# Altium PCB RUT_LCD_1.PcbDoc
Units mil, origin at the board's own origin, x right, y up, seen from the top; angles counter-clockwise.
Board outline 2287.43 x 3548.06 mil, 2 copper layers (Top Layer, Bottom Layer), stack 61.8 mil thick; 47 components, 30 nets, 180 pads, 224 vias.
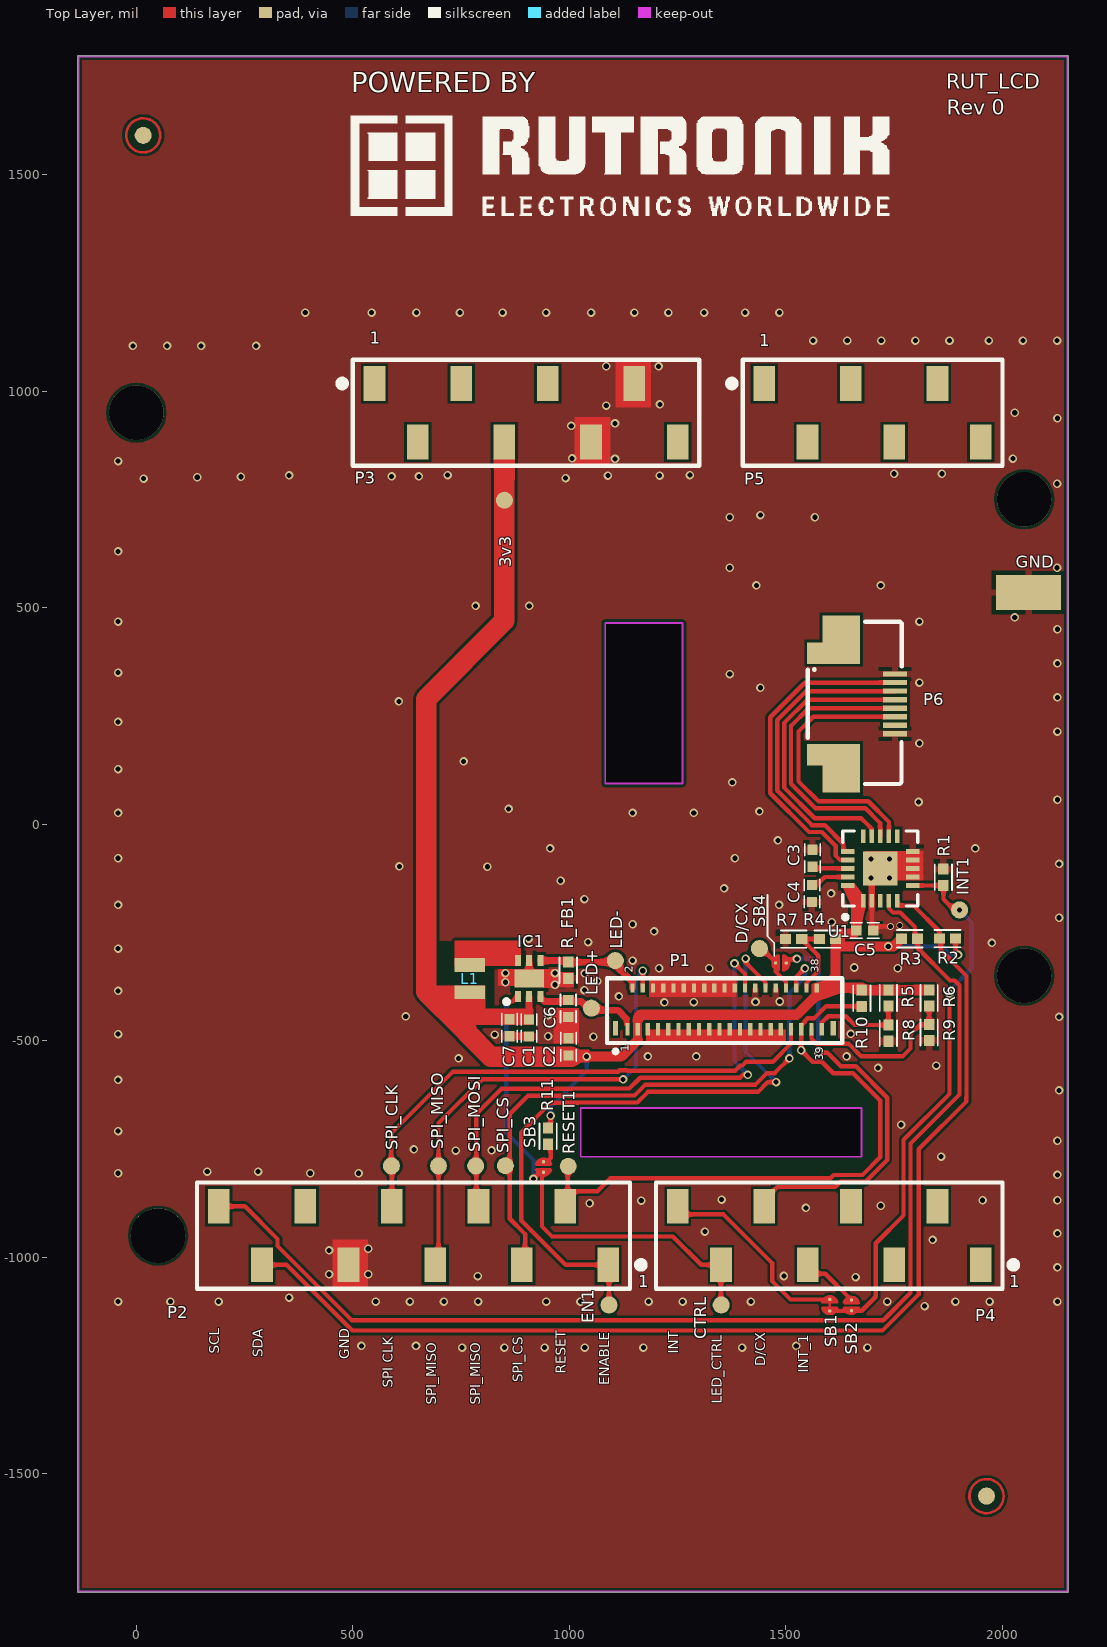
[diagram p0: Top Layer view]
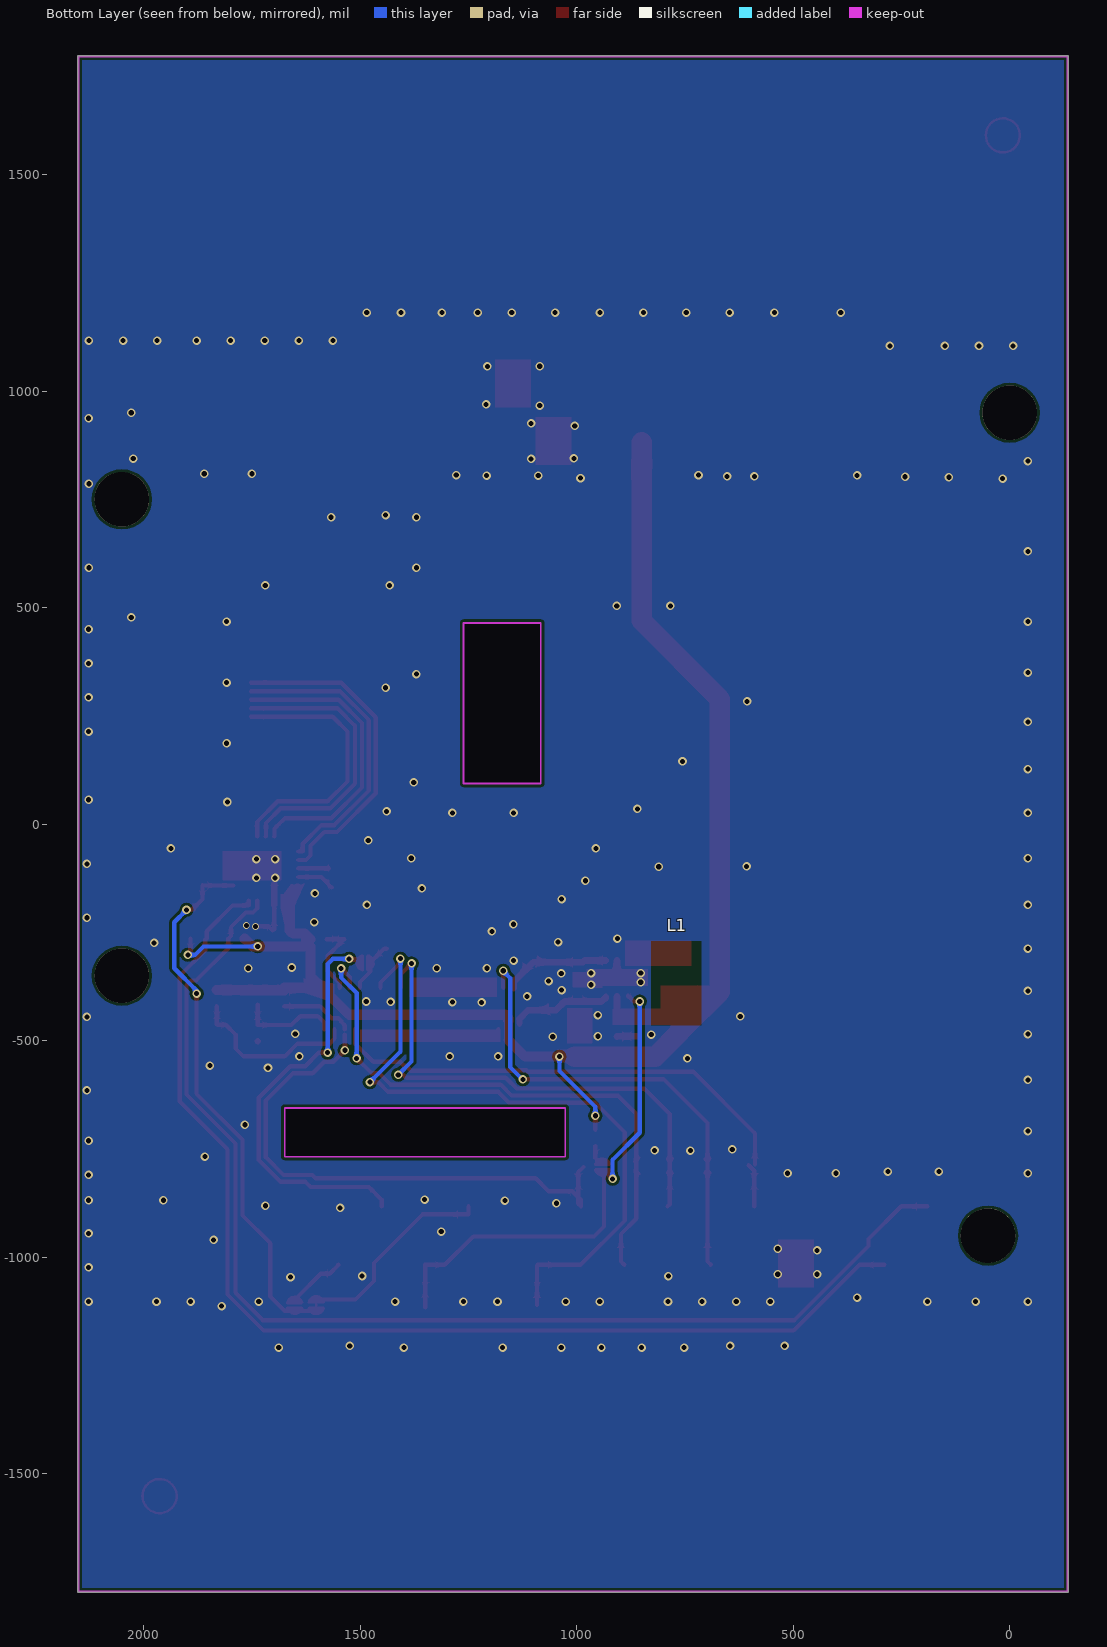
[diagram p1: Bottom Layer view, seen from below]
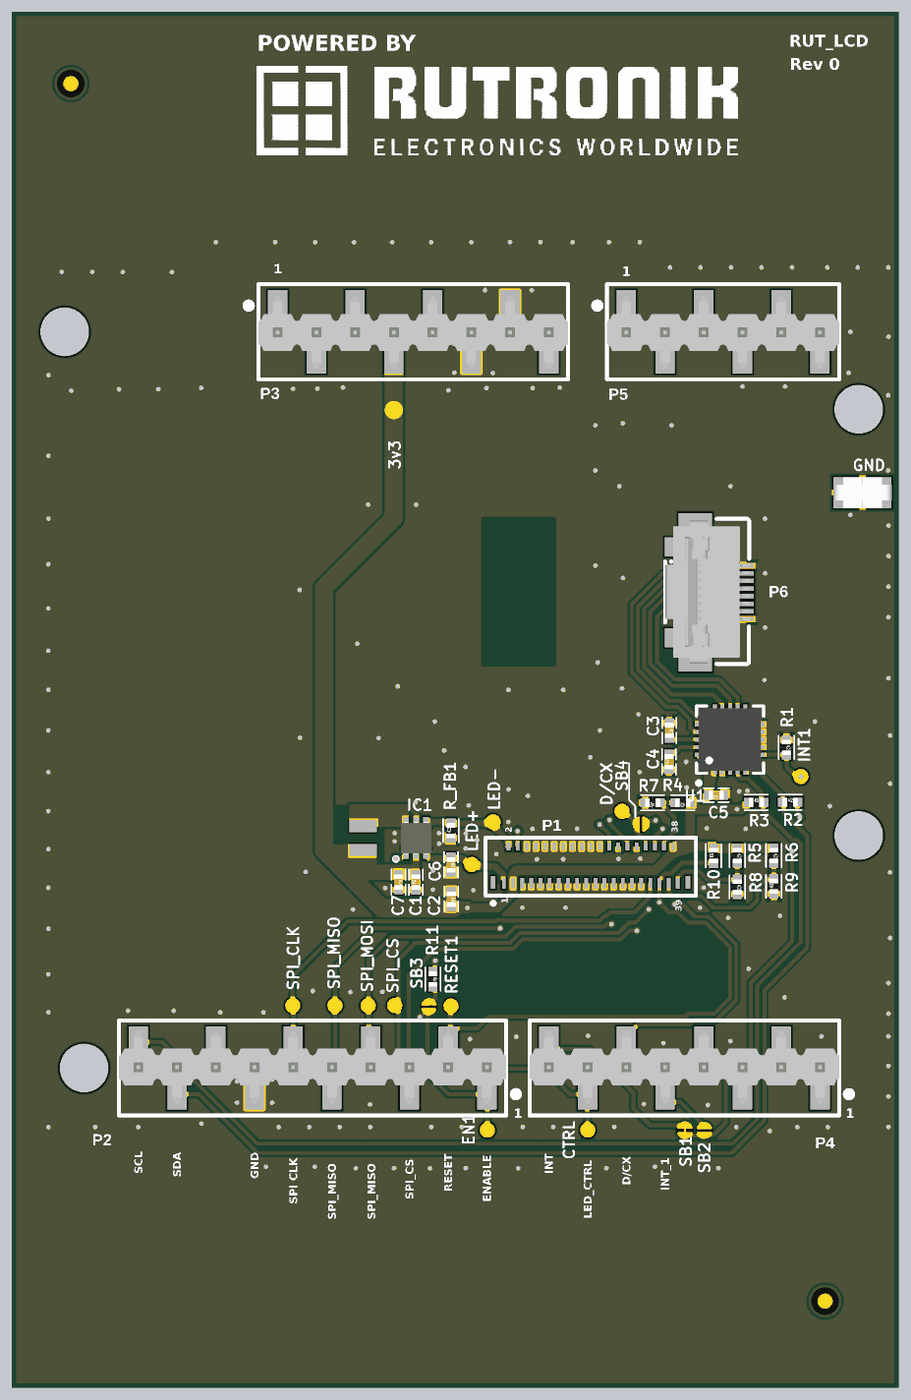
[diagram p2: 3D render of the assembled board from above, using the file's embedded part models]

## Layer stack, top to bottom
Top Solder: solder mask 1, SM-003, Dk 4
Top Layer: signal copper 1.4
Core: core 59, Core-043, Dk 4.3
Bottom Layer: signal copper 1.4
Bottom Solder: solder mask 1, SM-003, Dk 4

## Board outline
-135.45,-1771.65 -135.45,1771.65 cw(c-133.46,1771.65) -135.41,1772.05 cw(c-133.47,1772.44) -133.47,1774.42 2150,1774.42 cw(c2150,1772.44) 2151.98,1772.44 2151.98,-1771.65 cw(c2150,-1771.65) 2150,-1773.64 -133.46,-1773.64 cw(c-133.46,-1771.65)
cut-out: 1082.67,93.7 1261.02,93.7 1261.02,464.57 1082.67,464.57
cut-out: 1261.02,464.57 1082.67,464.57 1082.67,93.7 1261.02,93.7
cut-out: 1026.16,-655.51 1026.16,-767.72 1674.23,-767.72 1674.23,-655.51
cut-out: 1674.23,-767.72 1674.23,-655.51 1026.16,-655.51 1026.16,-767.72
cut-out: 1261.02,93.7 1082.67,93.7 1082.67,464.57 1261.02,464.57

## Design rules (kind name [scope] priority, off if disabled: settings)
Clearance [All] p1: gap=6 ignorepadtopadclearanceinfootprint=FALSE
ComponentClearance [All] p1: gap=0 collisioncheckmode=3 verticalgap=0 showdistances=TRUE
DiffPairsRouting [All] p1: maxlimit=7.87 minlimit=5.91 mostfreqgap=5.91 toplayer_minwidth=7.87 toplayer_maxwidth=15.75 toplayer_prefwidth=9.84 bottomlayer_minwidth=7.87 bottomlayer_maxwidth=15.75 bottomlayer_prefwidth=9.84 maxuncoupledlength=500
HoleSize [All] p1: absolutevalues=TRUE maxlimit=472.44 minlimit=11.81 maxpercent=80.000 minpercent=20.000
HoleToHoleClearance [All] p1: gap=0 allowstackedmicrovias=TRUE
MinimumSolderMaskSliver [All] p1: minsoldermaskwidth=0
PolygonConnect PolygonConnect_via [isvia] p1: connectstyle=Direct reliefconductorwidth=10 reliefentries=4 polygonreliefangle="90 Angle" airgapwidth=10
PolygonConnect [All] p2: connectstyle=Relief reliefconductorwidth=15.75 reliefentries=4 polygonreliefangle="90 Angle" airgapwidth=9.84
RoomDefinition LCD [InComponentClass('LCD')] p1: confinementstyle=ConfineIn formatcopy=TRUE lockcomponents=FALSE outline -2812.01,-2663.19 9357.48,-2663.19 9357.48,2723.23 -2812.01,2723.23
RoutingVias [All] p1: holewidth=28 width=23.62 viastyle="Through Hole" minholewidth=11.81 minwidth=11.81 maxholewidth=37.8 maxwidth=50
SilkToSilkClearance [All] p1: silktosilkclearance=0
SilkToSolderMaskClearance [IsPad] p1: minsilkscreentomaskgap=0 clearancetoexposedcopper=TRUE
SolderMaskExpansion [All] p1: expansion=4
UnRoutedNet [All] p1: checkbadconnections=TRUE
Width [All] p1: maxlimit=157.48 minlimit=5.91 preferedwidth=7.87
22 further rules are at their usual default settings.

## Components (designator, comment, footprint, x,y, rotation, side; value= is the part's Value field where it differs from the comment)
3v3 "Test point" TP_SMD_Ø1.0MM 849.8,748.03 r270 top
C1 "Cap Semi" c0402 906.69,-470.47 r90 top value=100nF
C2 "Cap Semi" c0402 998.03,-514.17 r270 top value=4.7uF
C3 "2.2uF" C0402 1561.02,-78.74 r270 top
C4 "1uF" C0402 1559.84,-159.84 r90 top
C5 "1uF" C0402 1681.89,-245.67 r180 top
C6 "Cap Semi" C0402 997.24,-425.59 r270 top value=1uF
C7 "Cap Semi" C0402 861.81,-470.08 r270 top value=2.2uF
CTRL "Test point" TP_SMD_Ø1.0MM 1350.39,-1110.24 r0 top
D/CX "Test point" TP_SMD_Ø1.0MM 1438.71,-287.4 r90 top
Designator1 "Comment" "LCD MODULE YB-TG240320C243A-C-A0" -1514.57,1822.83 r270 bottom locked
EN1 "Test point" TP_SMD_Ø1.0MM 1091.34,-1110.24 r270 top
GND "GND Test Point" 5019_keystone 2059.84,535.04 r0 top value=5019
IC1 "AL3050FDC-7" SON65P200X200X61-7N 907.09,-356.3 r90 bottom
INT1 "Test point" TP_SMD_Ø1.0MM 1900.78,-197.89 r270 top
L1 "" L2016X12N 770.08,-356.69 r90 top value=22uH
LD1 "YB-TG240320C243A-C-A0_1" "LCD MODULE YB-TG240320C243A-C-A0" -1513.78,1824.41 r270 bottom locked
LED+ "Test point" TP_SMD_Ø1.0mm 1050.59,-424.84 r90 top
LED- "Test point" TP_SMD_Ø1.0mm 1105.91,-314.96 r90 top
P1 "P" FPC-39-0.3MM 1133.86,-473.62 r0 top locked value=5035663902
P2 "DIGITAL 1" "Header  10way SMT 2.54mm 1row" 1089.96,-1017.52 r180 top locked value=10129380-910002ALF
P3 "POWER" "HEADER  8WAY SMT 2.54MM 1ROW" 549.8,1017.52 r0 top locked value=10129380-908002ALF
P4 "DIGITAL 2" "HEADER  8WAY SMT 2.54MM 1ROW" 1950,-1017.52 r180 top locked value=10129380-908002ALF
P5 "ANALOG" "HEADER  6WAY SMT 2.54MM 1ROW" 1449.8,1017.52 r0 top locked value=10129380-906002BLF
P6 "0528920833" "CONN FFC BOTTOM 8POS 0.50MM" 1751.79,208.66 r270 top locked
R1 "1M" R0402 1863.39,-122.44 r270 top
R2 "4.7K" R0402 1872.83,-264.17 r0 top
R3 "4.7K" R0402 1785.43,-264.57 r0 top
R4 "Res2" R0402 1595.67,-265.35 r180 top value=10K
R5 "Res2" R0402 1736.57,-401.57 r270 top value=NC
R6 "Res2" R0402 1830.71,-401.57 r270 top value=10K
R7 "Res2" R0402 1517.72,-265.35 r180 top value=NC
R8 "Res2" R0402 1736.43,-482.62 r270 top value=10K
R9 "Res2" R0402 1830.71,-481 r90 top value=NC
R10 "Res2" R0402 1675.2,-401.97 r90 top value=10K
R11 "4.7K" R0402 950.64,-720.47 r270 top
R_FB1 "Res1" R0402 997.24,-337.4 r90 top value=10R
RESET1 "Test point" TP_SMD_Ø1.0MM 997.24,-789.98 r270 top
SB1 "Solderbridge" Solderbridge_Shorted 1601.18,-1110.73 r270 top net-tie
SB2 "Solderbridge" Solderbridge#1 1651.18,-1111.02 r270 top
SB3 "Solderbridge" Solderbridge#2 940.16,-791.65 r270 top
SB4 "Solderbridge" Solderbridge#3 1488.19,-320.47 r0 top
SPI_CLK "Test point" TP_SMD_Ø1.0MM 588.98,-788.98 r270 top
SPI_CS "Test point" TP_SMD_Ø1.0MM 851.97,-788.63 r270 top
SPI_MISO "Test point" TP_SMD_Ø1.0MM 697.64,-788.98 r270 top
SPI_MOSI "Test point" TP_SMD_Ø1.0mm 783.46,-788.98 r270 top
U1 "BU21077MUV" "VQFN020V4040 - 0.3mm holes" 1717.72,-102.36 r90 top value=BU21077MUV-E2

## Footprints (in the part's own frame and the unit in brackets; to place one, negate y for a bottom-side part, rotate by r counter-clockwise, add the part's x,y. Pads: shape width x height; smd on the part's side, far side on the other; paste and mask are expansions set on the pad)
5019_keystone [mm] "Keystone Test Point 5019"
  rect 3.8x2.03 smd: 1(0,0)
  body extent -1.9,-1.01 1.91,1.02, height 2.29
c0402 [mm] "Chip Capacitor, 2-Leads, Body 1,0x0,5mm, IPC High Density"
  rect 0.6x0.6 smd: 1(-0.5,0) 2(0.5,0)
  silkscreen extent -0.84,-0.46 0.84,0.46, body extent -0.5,-0.3 0.5,0.3, height 0.2
C0402 [mm] "Chip Capacitor, 2-Leads, Body 1,0x0,5mm, IPC High Density"
  rect 0.6x0.6 smd: 1(-0.5,0) 2(0.5,0)
  silkscreen extent -0.84,-0.46 0.84,0.46, body extent -0.5,-0.3 0.5,0.3, height 0.2
"CONN FFC BOTTOM 8POS 0.50MM" [mm]
  rect 0.3x1.4 smd: 1(-3.5,0) 2(-3,0) 3(-2.5,0) 4(-2,0) 5(-1.5,0) 6(-1,0) 7(-0.5,0) 8(0,0)
  rect 1.6x2.2 smd: ""(-6.15,-3.15) ""(2.65,-3.15)
  rect 1.25x3.1 smd: ""(-4.725,-3.6) ""(1.225,-3.6)
  silkscreen extent -6.57,-5.12 2.94,0.39, body extent -6.48,-5.1 9.6,1.5, height 2
FPC-39-0.3MM [mm] "0.30mm Pitch, Right-Angle, Bottom Contact, 0.95mm Height, 39 Circuits, Gold over Nickel Plating"
  rect 0.25x0.72 smd: 1(0,0) 3(0.6,0) 5(1.2,0) 7(1.8,0) 9(2.4,0) 11(3,0) 13(3.6,0) 15(4.2,0) 17(4.8,0) 19(5.4,0) 21(6,0) 23(6.6,0) 25(7.2,0) 27(7.8,0) 29(8.4,0) 31(9,0) 33(9.6,0) 35(10.2,0) 37(10.8,0) 39(11.4,0)
  rect 0.25x0.52 smd: 2(0.3,2.43) 4(0.9,2.43) 6(1.5,2.43) 8(2.1,2.43) 10(2.7,2.43) 12(3.3,2.43) 14(3.9,2.43) 16(4.5,2.43) 18(5.1,2.43) 20(5.7,2.43) 22(6.3,2.43) 24(6.9,2.43) 26(7.5,2.43) 28(8.1,2.43) 30(8.7,2.43) 32(9.3,2.43) 34(9.9,2.43) 36(10.5,2.43) 38(11.1,2.43)
  rect 0.3x0.85 smd: ""(-0.71,0.065) ""(12.07,0.065)
  silkscreen extent -1.2,-1.4 12.6,3, body extent -0.97,-0.31 12.38,2.54, height 0.94
"HEADER  6WAY SMT 2.54MM 1ROW" [mm] "Single Row,  6  Positions, 2.54 mm"
  rect 1.27x2.03 smd: 1(0,0) 2(2.54,-3.43) 3(5.08,0) 4(7.62,-3.43) 5(10.16,0) 6(12.7,-3.43)
  silkscreen extent -2.05,-4.83 13.97,1.4, body extent -1.27,-4.16 13.97,0.64, height 11.87
"HEADER  8WAY SMT 2.54MM 1ROW" [mm] "Single Row,  8 Positions, 2.54 mm"
  rect 1.27x2.03 smd: 1(0,0) 2(2.54,-3.43) 3(5.08,0) 4(7.62,-3.43) 5(10.16,0) 6(12.7,-3.43) 7(15.24,0) 8(17.78,-3.43)
  silkscreen extent -2.05,-4.83 19.05,1.4, body extent -1.27,-4.16 19.05,0.64, height 11.87
"Header  10way SMT 2.54mm 1row" [mm] "Single Row, 10 Positions, 2.54 mm"
  rect 1.27x2.03 smd: 1(0,0) 2(2.54,-3.43) 3(5.08,0) 4(7.62,-3.43) 5(10.16,0) 6(12.7,-3.43) 7(15.24,0) 8(17.78,-3.43) 9(20.32,0) 10(22.86,-3.43)
  silkscreen extent -2.05,-4.83 24.13,1.4, body extent -1.27,-4.16 24.13,0.64, height 11.87
L2016X12N [mm] "Chip Inductor, 2-Leads, Body 2.00x1.60mm, IPC Medium Density"
  rect 0.8x1.8 smd: 1(-0.8,0) 2(0.8,0)
  body extent -1,-0.8 1,0.8, height 1.2
"LCD MODULE YB-TG240320C243A-C-A0" [mil] "LCD MODULE YB-TG240320C243A-C-A0"
  body extent -169,-5213 3768,91, height 114
R0402 [mm] "Chip resistor 0402"
  rect 0.65x0.6 smd: 1(-0.475,0) 2(0.475,0)
  silkscreen extent -0.76,-0.51 0.76,0.51, body extent -0.5,-0.3 0.5,0.3, height 0.2
Solderbridge#1 [mm]
  round 0.2 smd paste-10: 1(-0.312,0) 2(0.312,0)
  Top Layer region: -0.077,-0.432 -0.152,-0.505 -0.271,-0.467 -0.335,-0.424 -0.409,-0.351 -0.462,-0.292 -0.521,-0.193 -0.549,-0.099 -0.544,0.122 -0.518,0.193 -0.434,0.33 -0.351,0.411 -0.259,0.469 -0.157,0.5 -0.107,0.483 -0.077,0.43
  Top Layer region: 0.077,0.432 0.152,0.505 0.271,0.467 0.335,0.424 0.409,0.351 0.462,0.292 0.521,0.193 0.549,0.099 0.544,-0.122 0.518,-0.193 0.434,-0.33 0.351,-0.411 0.259,-0.469 0.157,-0.5 0.107,-0.483 0.077,-0.43
  Top Layer lines w0.152: 0.153,-0.431 ccw(c0.042,0) 0.182,-0.422 ccw(c0.042,0) 0.236,-0.4 ccw(c0.042,0) 0.26,-0.388 ccw(c0.042,0) 0.268,-0.383 ccw(c0.042,0) 0.312,-0.353 ccw(c0.042,0) 0.33,-0.339 ccw(c0.042,0) 0.421,-0.233 ccw(c0.042,0) 0.487,0 ccw(c0.042,0) 0.485,0.037 ccw(c0.042,0) 0.481,0.075 ccw(c0.042,0) 0.412,0.246 ccw(c0.042,0) 0.329,0.34 ccw(c0.042,0) 0.312,0.353 ccw(c0.042,0) 0.292,0.368 ccw(c0.042,0) 0.26,0.388 ccw(c0.042,0) 0.246,0.395 ccw(c0.042,0) 0.214,0.41 ccw(c0.042,0) 0.153,0.431 ; -0.153,-0.431 cw(c-0.042,0) -0.312,-0.353 cw(c-0.042,0) -0.398,-0.266 cw(c-0.042,0) -0.461,-0.149 cw(c-0.042,0) -0.487,-0.001 ; -0.153,0.431 ccw(c-0.042,0) -0.458,0.159 ccw(c-0.042,0) -0.461,0.149 ccw(c-0.042,0) -0.487,0 ; -0.487,0 ccw(c-0.042,0) -0.487,-0.001
Solderbridge#2 [mm]
  round 0.2 smd paste-10: 1(-0.312,0) 2(0.312,0)
  Top Layer region: -0.077,-0.432 -0.152,-0.505 -0.271,-0.467 -0.335,-0.424 -0.409,-0.351 -0.462,-0.292 -0.521,-0.193 -0.549,-0.099 -0.544,0.122 -0.518,0.193 -0.434,0.33 -0.351,0.411 -0.259,0.469 -0.157,0.5 -0.107,0.483 -0.077,0.43
  Top Layer region: 0.077,0.432 0.152,0.505 0.271,0.467 0.335,0.424 0.409,0.351 0.462,0.292 0.521,0.193 0.549,0.099 0.544,-0.122 0.518,-0.193 0.434,-0.33 0.351,-0.411 0.259,-0.469 0.157,-0.5 0.107,-0.483 0.077,-0.43
  Top Layer lines w0.152: 0.153,-0.431 ccw(c0.042,0) 0.182,-0.422 ccw(c0.042,0) 0.385,-0.283 ccw(c0.042,0) 0.421,-0.233 ccw(c0.042,0) 0.487,-0.006 ccw(c0.042,0) 0.487,0 ccw(c0.042,0) 0.485,0.037 ccw(c0.042,0) 0.358,0.313 ; -0.153,-0.431 cw(c-0.042,0) -0.312,-0.353 cw(c-0.042,0) -0.398,-0.266 cw(c-0.042,0) -0.487,-0.001 cw(c-0.042,0) -0.487,0 cw(c-0.042,0) -0.287,0.371 cw(c-0.042,0) -0.153,0.431 ; 0.153,0.431 cw(c0.042,0) 0.312,0.353 cw(c0.042,0) 0.329,0.34 cw(c0.042,0) 0.358,0.313 ; 0.358,0.313 ccw(c0.042,0) 0.358,0.313
Solderbridge#3 [mm]
  round 0.2 smd paste-10: 1(-0.312,0) 2(0.312,0)
  Top Layer region: -0.077,-0.432 -0.152,-0.505 -0.271,-0.467 -0.335,-0.424 -0.409,-0.351 -0.462,-0.292 -0.521,-0.193 -0.549,-0.099 -0.544,0.122 -0.518,0.193 -0.434,0.33 -0.351,0.411 -0.259,0.469 -0.157,0.5 -0.107,0.483 -0.077,0.43
  Top Layer region: 0.077,0.432 0.152,0.505 0.271,0.467 0.335,0.424 0.409,0.351 0.462,0.292 0.521,0.193 0.549,0.099 0.544,-0.122 0.518,-0.193 0.434,-0.33 0.351,-0.411 0.259,-0.469 0.157,-0.5 0.107,-0.483 0.077,-0.43
  Top Layer lines w0.152: -0.153,-0.431 cw(c-0.042,0) -0.2,-0.416 cw(c-0.042,0) -0.312,-0.353 cw(c-0.042,0) -0.398,-0.266 cw(c-0.042,0) -0.487,-0.001 ; -0.153,0.431 ccw(c-0.042,0) -0.461,0.149 ccw(c-0.042,0) -0.487,0 ; 0.153,-0.431 ccw(c0.042,0) 0.182,-0.422 ccw(c0.042,0) 0.421,-0.233 ccw(c0.042,0) 0.487,0 ccw(c0.042,0) 0.485,0.037 ccw(c0.042,0) 0.461,0.149 ccw(c0.042,0) 0.45,0.178 ccw(c0.042,0) 0.329,0.34 ccw(c0.042,0) 0.312,0.353 ccw(c0.042,0) 0.153,0.431 ; -0.487,0 ccw(c-0.042,0) -0.487,-0.001
Solderbridge_Shorted [mm]
  round 0.2 smd paste-10: 1(-0.338,0) 2(0.338,0)
  Top Layer region: -0.102,-0.432 -0.178,-0.505 -0.296,-0.467 -0.361,-0.424 -0.434,-0.351 -0.488,-0.292 -0.546,-0.193 -0.574,-0.099 -0.569,0.122 -0.544,0.193 -0.46,0.33 -0.376,0.411 -0.284,0.469 -0.183,0.5 -0.132,0.483 -0.102,0.43
  Top Layer region: 0.102,0.432 0.178,0.505 0.296,0.467 0.361,0.424 0.434,0.351 0.488,0.292 0.546,0.193 0.574,0.099 0.569,-0.122 0.544,-0.193 0.46,-0.33 0.376,-0.411 0.284,-0.469 0.183,-0.5 0.132,-0.483 0.102,-0.43
  Top Layer lines w0.15: 0.338,0 -0.338,0
  Top Layer lines w0.152: 0.178,-0.431 ccw(c0.068,0) 0.178,0.431 ; -0.178,-0.431 cw(c-0.068,0) -0.178,0.431
SON65P200X200X61-7N [mm]
  rect 0.65x0.35 smd far side: 1(-1.05,-0.65) 2(-1.05,0) 3(-1.05,0.65) 4(1.05,0.65) 5(1.05,0) 6(1.05,-0.65)
  rect 1.06x1.75 smd far side: 7(0,0)
  body extent -1.05,-1 1.05,1, height 0.61
TP_SMD_Ø1.0MM [mm]
  round 1 smd paste-5: 1(0,0)
TP_SMD_Ø1.0mm [mm]
  round 1 smd paste-5: 1(0,0)
"VQFN020V4040 - 0.3mm holes" [mm] "QFN, 20-Leads, Body 4.00x4.00mm, Pitch 0.50mm, Thermal Pad 2x2mm, IPC Medium Density"
  rect 0.8x0.27 smd: 1(-1.9,1) 2(-1.9,0.5) 3(-1.9,0) 4(-1.9,-0.5) 5(-1.9,-1) 11(1.9,-1) 12(1.9,-0.5) 13(1.9,0) 14(1.9,0.5) 15(1.9,1)
  rect 0.27x0.8 smd: 6(-1,-1.9) 7(-0.5,-1.9) 8(0,-1.9) 9(0.5,-1.9) 10(1,-1.9) 16(1,1.9) 17(0.5,1.9) 18(0,1.9) 19(-0.5,1.9) 20(-1,1.9)
  rect 2x2 smd: 21(0,0)
  silkscreen extent -2.97,-2.2 2.2,2.2, body extent -2.06,-2.06 2.06,2.06, height 1

## Part data
3v3 CTRL D/CX EN1 INT1 LED+ LED- RESET1 SPI_CLK SPI_CS SPI_MISO SPI_MOSI: library part TP_SMD_Ø1.0MM, "1.0mm circular SMD testpad"
C1: "Capacitor (Semiconductor SIM Model)", Manufacturer=YAGEO, Manufacturer Part No.=CC0402KRX7R9BB104, Supplier part number=KKK23619, Link=https://www.rutronik24.com/search-result/qs:KKK23619/reset:0, Part Description="Ceramic Capacitor", Specification="X7R, 50V, 10%", Supplier=Rutronik
C2: "Capacitor (Semiconductor SIM Model)", Manufacturer=Samsung, Manufacturer Part No.=CL05A475KP5NRNC, Supplier part number=KKS2214, Link=https://www.rutronik24.com/product/samsung+em/cl05a475kp5nrnc/32126.html, Part Description="Ceramic Capacitor", Specification="X5R, 10V, 10%", Supplier=Rutronik
C3: library part "Cap Semi", "Capacitor (Semiconductor SIM Model)", Manufacturer=muRata, Manufacturer Part No.=GRM155R61A225KE01D, Supplier part number=KKH1032, Link=https://www.rutronik24.com/product/murata/grm155r61a225ke01d/12952430.html, Part Description="Ceramic Capacitor", Specification="X5R, 10V, 10%", Supplier=Rutronik
C4 C5: library part "Cap Semi", "Capacitor (Semiconductor SIM Model)", Manufacturer=muRata, Manufacturer Part No.=GRM155R61E105KA12D, Supplier part number=KKS4987, Link=https://www.rutronik24.com/product/murata/grm155r61e105ka12d/4725132.html, Part Description="Ceramic Capacitor", Specification="X5R, 25V, 10%", Supplier=Rutronik
C6: "Capacitor (Semiconductor SIM Model)", Manufacturer=muRata, Manufacturer Part No.=GRM155R61E105KA12D, Supplier part number=KKS4987, Link=https://www.rutronik24.com/product/murata/grm155r61e105ka12d/4725132.html, Part Description="Ceramic Capacitor", Specification="X5R, 25V, 10%", Supplier=Rutronik
C7: "Capacitor (Semiconductor SIM Model)", Manufacturer=muRata, Manufacturer Part No.=GRM155R61A225KE01D, Supplier part number=KKH1032, Link=https://www.rutronik24.com/product/murata/grm155r61a225ke01d/12952430.html, Part Description="Ceramic Capacitor", Specification="X5R, 10V, 10%", Supplier=Rutronik
GND: library part 5019, "SMD Test Point", Manufacturer="Keystone Electrincs", Supplier part number=BAT4950, Link=https://www.rutronik24.com/product/keystone/pn5019/7028403.html, Manufacturer Part No.=5019, Part Description="SMT Test Point", Specification=3.81*2.03, Supplier=Rutronik
IC1: "Integrated Circuit", Manufacturer="Diodes Inc.", Supplier part number=LEDDRV1525, Datasheet Link=https://www.diodes.com/search/?q=AL3050&t=keyword&action_results=Go, Link=https://www.rutronik24.com/search-result/qs:AL3050FDC-7/reset:0, Manufacturer Part No.=AL3050FDC-7, Part Description="driver Step-up", Specification="2.7-5.5 to 30V 40mA", Supplier=Rutronik
L1: library part Inductor, "Inductor", Manufacturer="Chilisin Electronics", Manufacturer Part No.=BWVC00201612220M00, Link=https://www.rutronik24.com/search-result/qs:BWVC00201612220M00/reset:0, Part Description=Inductor, Specification="2x1.6x1.2mm Irms 0.36A", Supplier=Rutronik
LD1: Manufacturer="YEEBO GROUP", Link=https://www.rutronik24.com/index.php?m=oc&action=nothingfound&qs=YB-TG240320C243A, Manufacturer Part No.=YB-TG240320C243A-C-A0_1, Part Description="MODULE ASSEMBLY", Specification="LCD with capacitive touch keys", Supplier=Rutronik
P1: "FPC CONNECTOR OF LCD MODULE", Manufacturer=Molex, Manufacturer Part No.=5035663902, Link=https://www.rutronik24.com/search-result/qs:5035663902/reset:0, Part Description="FPC Connector, 0.30mm Pitch, Right-Angle, Bottom Contact, 0.95mm Height, 39 Circuits, Gold over Nickel Plating", Specification="SMT, 0,3mm pitch 39 circuits", Supplier=Rutronik, Supplier part number=5035663902
P2: library part "Header 10", Manufacturer="Amphenol ICC", Manufacturer Part No.=10129380-910002ALF, Supplier part number=10129380910002ALF, Link=https://www.rutronik24.com/search-result/qs:10129380-910002ALF/reset:0, Part Description="SMT Header", Specification="10 pos. 2,54mm", Supplier=Rutronik
P3 P4: library part "Header 8", Manufacturer="Amphenol ICC", Manufacturer Part No.=10129380-908002ALF, Supplier part number=10129380908002ALF, Link=https://www.rutronik24.com/search-result/qs:10129380-908002ALF/reset:0, Part Description="SMT Header", Specification="8 pos. 2,54mm", Supplier=Rutronik
P5: library part "Header 6", Manufacturer="Amphenol ICC", Manufacturer Part No.=10129380-906002BLF, Supplier part number=10129380908002ALF, Link=https://www.rutronik24.com/search-result/qs:10129380-906002BLF/reset:0, Part Description="SMT Header", Specification="6 pos. 2,54mm", Supplier=Rutronik
P6: "CONN FFC BOTTOM 8POS 0.50MM R/A", Manufacturer=Molex, Manufacturer Part No.=0528920833, Specification="SMT, 0,5mm 8 circuits bottom right angle"
R1: library part Res2, Manufacturer=ASJ, Manufacturer Part No.=CR10-105-JK, Supplier part number=WRC35254, Link=https://www.rutronik24.com/product/asj/cr10-105-jk/51971.html, Part Description="Thick Film Resistor", Specification="5% 0,063W", Supplier=Rutronik
R2 R3: library part Res2, Manufacturer=ASJ, Manufacturer Part No.=CR10-472-JK, Supplier part number=WRC41427, Link=https://www.rutronik24.com/product/asj/cr10-472-jk/54393.html, Part Description="Thick Film Resistor", Specification="5% 0,063W", Supplier=Rutronik
R4 R6 R8 R10: Manufacturer=ASJ, Manufacturer Part No.=CR10-103-JK, Supplier part number=WRC40976, Link=https://www.rutronik24.com/product/asj/cr10-103-jk/54295.html, Part Description="Thick Film Resistor", Specification="5% 0,063W", Supplier=Rutronik
R7 R9: Supplier part number=WRC40976, Part Description="Not mounted"
R11: library part Res2, Manufacturer=ASJ, Manufacturer Part No.=CR10-472-JK, Supplier part number=WRC40976, Link=https://www.rutronik24.com/product/asj/cr10-472-jk/54393.html, Part Description="Thick Film Resistor", Specification="5% 0,063W", Supplier=Rutronik
R_FB1: "Resistor", Manufacturer=ASJ, Manufacturer Part No.=CR10-10R0-FK, Supplier part number=WRC36380, Link=https://www.rutronik24.com/product/asj/cr10-10r0-fk/52610.html, Part Description="Thick Film Resistor", Specification="1% 0,063W", Supplier=Rutronik
SB1: library part "Solderbridge Shorted", "Shorted Solderbridge"
U1: "Capacitive Switch Controller IC", Manufacturer=Rohm, Manufacturer Part No.=BU21077MUV-E2, Link=https://www.rutronik24.com/search-result/qs:BU21077MUV/reset:0, Part Description="Capacitive Switch Controller", Specification="8-CH I2C 2.7-5.5V", Supplier=Rutronik, Supplier part number=BU21077MUV-E2
R5: Part Description="Not mounted"

## Free pads (board coordinates)
  round 125.98 hole 125.98 unplated: ""(0,950) ""(50,-950) ""(2050,-350) ""(2050,750)
  round 39.37 smd paste-39.37 mask+15.75: ""(15.75,1590.55) ""(1962.99,-1551.57)

## Via types
v1: diameter 19.68, hole 11.81, Top Layer to Bottom Layer, tented both sides, 218 vias
v2: diameter 19.68, hole 11.81, Top Layer to Bottom Layer, tented bottom, 4 vias
v3: diameter 15.75, hole 11.81, Top Layer to Bottom Layer, tented both sides, 2 vias

## Nets (pads, with @x,y where several pads share a name; then routed paths per layer and width w, separated by ;. In a path a pad name is that pad's centre, name@x,y a point inside that pad or via, vN(x,y) a via of type N, cw(c..) or ccw(c..) an arc to the next point about the centre after c; other vN are vias at no path point)
3V3: 3v3.1 C1.2 C2.2 C5.2 C7.1 IC1.2 L1.1 P1.3 P1.38 P3.4 R2.2 R3.1 R4.1 R5.1 R6.1 R10.2 R11.1 U1.1 U1.20 | length 3715.5
  Top Layer w10: IC1.2@906.89,-397.83 IC1.2 ; R11.1@956.69,-705.71 v1(956.69,-673.23) ; C2.2@998.03,-543.31 1004.63,-536.71 v1(1039.67,-536.71) ; U1.20 1646.51,-141.73 1646.83,-142.05 U1.20@1646.83,-145.65 ; v1(1736.22,-282.35) v1@1736.34,-282.35 ; v1@1891.54,-294.31 R2.2
  Top Layer w15.75: 770.08,-406.69 790.75,-406.69 ; 830.51,-446.46 857.87,-446.46 C7.1 862.01,-450.59 906.5,-450.59 C1.2 906.89,-450.59 IC1.2@906.89,-397.83 ; 1157.48,-498.43 P1.3 1157.48,-453.09 1170.68,-439.89 ; 1564.96,-400.59 1567.91,-397.63 1567.91,-380.32 1570.28,-377.95 P1.38 1571,-378.09 1587.46,-378.09 1587.46,-377.95
  Top Layer w23.62: 810.43,-452.36 816.34,-446.46 830.51,-446.46 ; v1(1039.67,-536.71) 1119.2,-536.71 1157.48,-498.43 ; 1170.68,-439.89 1524.3,-439.89 1525.98,-438.21 1527.06,-438.21 1552.38,-412.9 1552.65,-412.9 1564.96,-400.59 ; 1614.37,-282.35 1614.37,-351.04 1587.46,-377.95 1675.2,-377.95 R10.2 1774.46,-383.27 1774.86,-382.87 R6.1 ; R4.1@1614.52,-265.5 1627.3,-252.73 1655.15,-252.73 C5.2 1662.2,-179.21 1670.02,-171.4 ; R4.1@1624.93,-265.65 1624.93,-282.35 v1(1736.22,-282.35) ; v1@1736.34,-282.35 1747.97,-282.35 1765.75,-264.57 R3.1
  Top Layer w47.24: 753.54,-471.65 669.29,-387.4 669.29,288.98 849.8,469.49 3v3.1 P3.4 ; 761.22,-471.65 761.22,-479.72 818.21,-536.71 C2.2@1004.63,-536.71 ; 761.22,-444.88 761.22,-415.55 770.08,-406.69
  Bottom Layer w10: v1(956.69,-673.23) 956.69,-652.76 1039.67,-569.78 v1(1039.67,-536.71) ; v1(1736.22,-282.35) 1861.72,-282.35 1881.33,-301.96 v1(1897.64,-301.96)
D/CX: D/CX.1 P1.32 SB4.1 | length 119.3
  Top Layer w10: D/CX.1 1444.39,-287.4 1470.03,-313.04 1472.46,-315.47 1475.89,-318.9 1475.89,-329.38 1475.89,-332.8 1475.89,-335.26 1475.89,-340.36 1500,-364.47 P1.32
ENABLE: EN1.1 P1.28 P2.1 | length 1578.4
  Top Layer w10: EN1.1 1091.34,-1018.9 P2.1 991.14,-1017.52 888.58,-914.96 888.58,-711.86 957.45,-643 1020.33,-643 1020.78,-642.54 1156.69,-642.54 1181.12,-618.11 1435.43,-618.11 1457.87,-595.67 v1(1477.17,-595.67) ; v1(1406.69,-310.24) 1406.69,-319.68 1452.76,-365.75 P1.28
  Bottom Layer w10: v1(1406.69,-310.24) 1406.69,-525.19 v1(1477.17,-595.67)
GND: C1.1 C2.1 C3.1 C4.1 C5.1 C6.2 C7.2 GND.1 IC1.5 IC1.7 P1.5 P1.6 P1.7 P1.8 P1.9 P1.10 P1.11 P1.12 P1.13 P1.14 P1.15 P1.16 P1.17 P1.18 P1.19 P1.20 P1.21 P1.22 P1.23 P1.25 P1.26 P1.27 P1.29 P1.30 P1.31 P2.7 P3.6 P3.7 P6.1 P6.8 R1.1 R7.2 R8.2 R9.1 R_FB1.1 U1.2 U1.7 U1.8 U1.9 U1.10 U1.21 | length 283.1
  Top Layer w10: P1.5 P1.5@1181.18,-473.7 ; U1.2 1698.03,-122.05 U1.21 ; U1.2@1698.35,-177.48 1698.35,-242.44 C5.1 1711.19,-236.06 v3(1741.26,-236.06)
  Top Layer w15.75: C7.2 906.3,-489.76 C1.1 C1.1@906.89,-490.35 ; IC1.7 IC1.5 ; R8.2@1736.34,-501.42 R8.2
  other v1: 751.97,-1208.66 850,-1208.66 942.72,-1208.66 1035.43,-1208.66 1170.68,-1208.66 1398.76,-1208.66 1687.89,-1208.66 519.68,-1204.72 645.67,-1204.72 1523.8,-1204.72 1819.88,-1112.69 -42.13,-1102.36 78.74,-1102.36 189.96,-1102.36 552.76,-1102.36 631.5,-1102.36 710.24,-1102.36 788.98,-1102.36 946.46,-1102.36 1025.2,-1102.36 1182.68,-1102.36 1261.42,-1102.36 1418.9,-1102.36 1733.86,-1102.36 1891.34,-1102.36 1970.08,-1102.36 2126.77,-1102.36 352.51,-1093.19 1660.63,-1045.67 788.19,-1043.7 1495.35,-1043.31 444.88,-1039.37 535.43,-1039.37 2126.77,-1023.62 444.88,-984.25 535.43,-980.31 1838.39,-959.9 2126.77,-944.88 1312.6,-940.94 1546.06,-886.22 1718.76,-881.1 1046.46,-875.2 1165.75,-869.29 1953.94,-868.5 2126.77,-868.5 1351.18,-866.93 2126.77,-809.84 -42.13,-806.06 401.38,-806.06 513,-806.06 163.58,-802.28 281.1,-802.28 1858.27,-767.72 737.41,-753.86 820.09,-753.23 640.67,-750.95 2126.77,-731.1 -42.13,-708.66 1765.74,-694.09 2130.71,-614.57 -42.13,-590.55 1712.6,-562.6 1846.85,-557.48 744.09,-540.89 1181.1,-536.22 1292.91,-536.22 1640.16,-536.22 1055.12,-490.94 950.64,-489.76 827.56,-485.81 -42.13,-484.65 1649.6,-484.25 2130.71,-444.88 622.05,-443.67 950.64,-440.94 1219.29,-411.42 1287.01,-411.02 1429.6,-410.43 1485.68,-409.45 1114.17,-397.64 -42.13,-385.04 1034.63,-383.27 966.63,-370.84 851.97,-364.92 1064.69,-362.2 1035.43,-344.78 851.97,-343.84 966.63,-343.84 1207.09,-332.68 1322.83,-332.68 1758.09,-332.68 1657.71,-330.96 1145.67,-314.96 -42.13,-287.4 1975.59,-274.02 1042.91,-272.44 905.63,-264.28 1195.67,-247.64 1146,-231 1605.67,-226.24 2130.71,-216.21 -42.13,-186.22 1484.25,-186.47 1034.63,-173 1604.23,-159.94 1357.07,-148.15 979.53,-130.71 810.43,-98.43 607.3,-97.64 2130.71,-91.54 -42.13,-78.74 1381.89,-78.74 955.51,-55.91 1937.01,-55.91 1481.23,-37.4 -42.13,26.18 1145.67,26.18 1287.01,26.18 1438.71,29.56 859.51,35.09 1806.3,51.18 2126.77,56.3 1375.98,96.36 -42.13,127.17 755.51,145.09 1808.22,186.81 2126.77,213.78 -42.13,236.34 606.3,283.46 2126.77,292.52 1440.94,314.96 1808.22,326.77 1370.08,346.46 -42.13,350 2126.77,371.26 2126.77,450 -42.13,467.75 1808.22,467.75 2028.35,477.56 783.46,503.94 907.32,503.94 1431.89,551.18 1718.9,551.18 1370.08,592.13 2125.98,592.13 -42.13,629.92 1370.08,708.66 1566.75,708.66 1440.94,713.78 2125.98,786.07 16.51,798.09 991,799 140.47,801.09 241.51,802.19 589.51,803.09 652.51,803.09 352.51,805.19 1088.66,805 1208,805 718.51,806.09 1278,806 1749.8,809.1 1859.84,809.1 -42.13,838.19 1105.17,843.57 2023.82,844.29 1006.17,844.57 1004.17,919.57 1105.17,925.57 2126.77,937.4 2028.35,950 1085.04,966.54 1209.06,969.29 1205.91,1057.09 1085.04,1057.48 -7.87,1104.25 70.87,1104.25 149.61,1104.25 276.5,1104.25 1562.6,1116.54 1641.34,1116.54 1720.08,1116.54 1798.82,1116.54 1877.56,1116.54 1968.5,1116.54 2047.24,1116.54 2125.98,1116.54 389.96,1181.1 543.31,1181.1 646.65,1181.1 746.85,1181.1 845.67,1181.1 946.06,1181.1 1049.8,1181.1 1149.8,1181.1 1228.35,1181.1 1311.02,1181.1 1405.51,1181.1 1484.59,1181.1
  other v2: 1696.06,-124.02 1739.37,-124.02 1696.06,-80.71 1739.37,-80.71
  other v3: 1762.65,-234.25
INT: INT1.1 R1.2 SB1.2 SB2.2 U1.6 | length 1253.4
  Top Layer w10: SB1.2 1637.85,-1124.03 ; SB2.2 1660.88,-1123.32 1665.08,-1123.32 1667.32,-1123.32 1674.76,-1123.32 1707.09,-1090.99 1707.09,-967.72 1771.5,-903.31 1771.5,-728.9 1877.56,-622.83 v1(1877.56,-391.34) ; U1.6 1792.82,-141.44 1863.09,-141.44 R1.2 1863.88,-141.63 1863.88,-173.33 1888.44,-197.89 v1(1900.78,-197.89)
  Bottom Layer w10: v1(1877.56,-391.34) 1877.56,-384.25 1929.13,-332.68 1929.13,-226.24 v1(1900.78,-197.89)
KEY1: P6.2 U1.17 | length 752.9
  Top Layer w10: U1.17 1624.85,-82.68 1614.57,-72.39 1614.57,-50.06 1582.65,-18.14 1553.15,-18.14 1463.65,71.35 1463.65,246.89 1543.54,326.77 P6.2
KEY2: P6.3 U1.16 | length 694.1
  Top Layer w10: U1.16 1632.48,-62.99 1632.17,-62.68 1632.17,-45.03 1589.28,-2.14 1559.78,-2.14 1479.65,77.98 1479.65,240.26 1546.48,307.09 P6.3
KEY3: P6.4 U1.14 | length 686.2
  Top Layer w10: U1.14 1697.72,-27.24 1697.72,-10.44 1694.66,-7.39 1694.66,-7.25 1688.22,-0.81 1688.08,-0.81 1673.41,13.86 1566.4,13.86 1495.65,84.61 1495.65,233.64 1549.42,287.4 P6.4
KEY4: P6.5 U1.13 | length 664.3
  Top Layer w10: 1511.65,113.39 1511.65,227.01 1552.36,267.72 P6.5 ; 1511.75,113.39 1511.75,93.3 1568.29,36.76 1683.32,36.76 1717.4,2.68 1717.4,-27.24 U1.13
KEY5: P6.6 U1.12 | length 632.5
  Top Layer w10: U1.12 1737.72,-27.24 1737.72,4.99 1689.95,52.76 1574.92,52.76 1528.89,98.79 1528.89,213.93 1562.99,248.03 P6.6
LED_A: C6.1 IC1.3 LED+.1 P1.1 | length 235
  Top Layer w11.81: P1.1@1131.89,-462.01 1131.89,-449.78
  Top Layer w15.75: IC1.3@933.66,-400.39 932.68,-399.41 932.68,-401.58 933.66,-402.56 935.83,-402.56 942.72,-409.45 1027.56,-409.45 1047.64,-429.53 1111.64,-429.53 1131.89,-449.78
LED_CTRL: CTRL.1 IC1.1 P4.7 SB3.2 | length 1168.5
  Top Layer w10: v1(854.33,-409.45) 868.19,-409.45 881.5,-396.14 IC1.1 ; v1(916.93,-818.9) 929.01,-806.82 929.13,-806.69 929.13,-800.14 ; 945,-805.75 939.93,-810.82 936.58,-814.17 936.58,-928.79 959.75,-951.97 1238.73,-951.97 1304.28,-1017.52 P4.7 1349.61,-1017.91 CTRL.1@1349.61,-1115.75
  Bottom Layer w10: v1(854.33,-409.45) 854.33,-712.6 916.93,-775.2 v1(916.93,-818.9)
LED_K: IC1.4 LED-.1 P1.2 R_FB1.2 | length 247.1
  Top Layer w15.75: IC1.4 982.09,-314.96 986.02,-318.9 1100.22,-318.9 1145.67,-364.34 P1.2
NetC3_2: C3.2 U1.18 | length 71.5
  Top Layer w10: C3.2@1571.55,-102.05 1642.6,-102.05 U1.18
NetC4_2: C4.2 U1.19 | length 87.2
  Top Layer w10: C4.2@1565.64,-145.91 1589.51,-122.05 U1.19
NetIC1_6: IC1.6 L1.2
NetP1_36: P1.36 R4.2 R7.1 | length 180.1
  Top Layer w10: R7.1 R7.1@1537.4,-265.35 ; P1.36 1547.24,-366.93 1574.8,-339.37 1574.8,-303.74 1544.21,-273.15 1544.21,-272.17 R7.1@1537.4,-265.35 ; R4.2 R7.1@1537.4,-265.35
NetP1_37: P1.37 R6.2 R9.2 | length 401.4
  Top Layer w10: P1.37 1559.06,-495.67 1570.1,-506.72 1644.51,-506.72 1674.02,-536.22 1769.29,-536.22 1787.4,-518.11 1787.4,-485.83 1809.94,-463.28 1829.53,-463.28 R9.2@1829.53,-462.3 ; R9.2 R6.2
NetP1_39: P1.39 R5.2 R8.1 | length 231.4
  Top Layer w10: P1.39 P1.39 1582.76,-457.97 1597.39,-443.33 1638.16,-443.33 1658.75,-463.92 R8.1 R5.2@1736.43,-416.48
NetP4_5: P4.5 SB2.1 | length 135.2
  Top Layer w10: P4.5 1550,-1018.09 1570,-1038.09 1590.55,-1038.09 1645.32,-1092.86 SB2.1
NetP4_6: P4.6 SB4.2 | length 972.5
  Top Layer w10: P4.6 1450,-867.52 1479.56,-837.96 1614,-837.96 1626,-825.96 1683.25,-825.96 1733.86,-775.35 1733.86,-631.5 1661.42,-559.06 1626.79,-559.06 1595.29,-527.56 v1(1574.8,-527.56) ; SB4.2@1500.49,-318.9 1505.9,-313.48 1507.26,-312.12 1524.2,-312.12 v1(1525.3,-311.02) v1@1523.62,-309.35
  Bottom Layer w10: v1(1525.3,-311.02) 1562.99,-311.02 1574.8,-322.83 v1(1574.8,-527.56)
NetP4_8: P4.8 SB1.1 | length 475.9
  Top Layer w10: P4.8@1249.8,-882.28 1249.8,-900.98 1355.71,-900.98 1467.91,-1013.19 1467.91,-1054.92 1510.42,-1097.43 SB1.1
NetR11_2: R11.2 SB3.1 | length 45.5
  Top Layer w10: 944.18,-783.46 947.29,-780.35 956.69,-770.94 R11.2@956.69,-743.11
RESET: P1.35 P2.2 R10.1 RESET1.1 | length 1448
  Top Layer w10: RESET1.1@984.25,-791.65 996.06,-803.46 P2.2@996.06,-861.42 ; P1.35@1535.43,-486.22 1535.04,-486.61 v1(1535.04,-522.05) 1561.39,-548.4 1582.67,-548.4 1609.33,-575.06 1654.79,-575.06 1717.86,-638.12 1717.86,-768.73 1676.62,-809.96 1610.24,-809.96 1602.48,-817.72 1094.49,-817.72 1064.69,-847.52 1009.96,-847.52 P2.2@996.06,-861.42 ; P1.35 1535.43,-464.53 1543.13,-456.83 1543.13,-454.4 1549.09,-448.45 1564.94,-448.45 1592.72,-420.67 R10.1 ; P2.2@996.06,-861.42 989.96,-867.52 P2.2 996.06,-876.38 P2.2@996.06,-861.42
SCL: P2.10 R3.2 U1.4 | length 2777.9
  Top Layer w10: P2.10 250.59,-882.48 325.96,-957.85 325.96,-974.2 496.97,-1145.21 1724.34,-1145.21 ; 1724.41,-1145.28 1787.5,-1082.19 1787.5,-737.31 1900.67,-624.13 1900.67,-372.14 1889.67,-361.14 1878.56,-361.14 1804.13,-286.71 R3.2 1797.87,-258.3 1797.87,-237.76 1764.03,-203.91 1747.22,-203.91 1737.72,-194.41 1737.72,-177.48 U1.4
SDA: P2.9 R2.1 U1.5 | length 2656.2
  Top Layer w10: P2.9 346.65,-1017.52 498.43,-1169.29 1723.02,-1169.29 1806.3,-1086.01 1806.3,-750.79 1916.57,-640.51 1916.57,-630.86 1916.67,-630.76 1916.67,-350.47 1857.18,-290.98 1857.18,-267.22 R2.1 1854.13,-247.44 1794.61,-187.91 1757.4,-187.91 1757.09,-187.6 U1.5
SPI_CLK: P1.33 P2.6 SPI_CLK.1 | length 1215.7
  Top Layer w10: SPI_CLK.1@588.19,-785.83 588.19,-713.98 730.79,-571.38 1112.53,-571.38 1115.38,-568.53 1132.65,-568.53 1133.44,-569.32 1382.9,-569.32 1382.9,-568.64 1394.26,-557.28 1399.29,-557.07 1407.53,-548.82 1469.68,-548.82 1511.73,-506.77 1511.73,-473.7 P1.33 ; P2.6 589.96,-800.14 SPI_CLK.1@602.7,-787.4
SPI_CS: P1.34 P2.3 SPI_CS.1 | length 1340.8
  Top Layer w10: P2.3 897.64,-1009.84 897.64,-946.64 862.2,-911.21 862.2,-669.18 904.38,-627 1013.7,-627 1014.16,-626.54 1150.06,-626.54 1175.29,-601.32 1429.6,-601.32 1456.09,-574.83 1473.79,-574.83 v1(1507.87,-540.75) ; P1.34 1523.7,-377.87 1523.7,-353.08 v1(1543.71,-333.07)
  Bottom Layer w10: v1(1507.87,-540.75) 1507.87,-389.76 1543.71,-353.93 v1(1543.71,-333.07)
SPI_MISO: P1.4 P2.5 SPI_MISO.1 | length 1108
  Top Layer w10: P2.5 697.73,-1009.75 697.73,-690.07 798.43,-589.37 v1(1124.01,-589.37) ; P1.4 v1(1169.29,-338.58)
  Bottom Layer w10: v1(1124.01,-589.37) 1124.8,-589.37 1153.54,-560.63 1153.54,-355.18 1169.29,-339.44 v1(1169.29,-338.58)
SPI_MOSI: P1.24 P2.4 SPI_MOSI.1 | length 1217.6
  Top Layer w10: P2.4 784.92,-877.44 784.92,-669.29 843.21,-611 1007.07,-611 1007.53,-610.54 1138.25,-610.54 1163.48,-585.32 1393.66,-585.32 1402.3,-576.68 1404.36,-578.74 v1(1411.81,-578.74) ; v1(1381.1,-321.65) 1405.51,-346.06 P1.24
  Bottom Layer w10: v1(1381.1,-321.65) 1381.1,-548.03 v1@1411.81,-578.74
pads on no net: P1. P2.8 P3.1 P3.2 P3.3 P3.5 P3.8 P4.1 P4.2 P4.3 P4.4 P5.1 P5.2 P5.3 P5.4 P5.5 P5.6 P6. P6.7 U1.3 U1.11 U1.15
copper on no net: | length 494.7
  Top Layer w5.91: 55.12,1590.55 ccw(c15.75,1590.55) 55.12,1590.55 ; 2002.36,-1551.57 ccw(c1962.99,-1551.57) 2002.36,-1551.57

## Polygon pours and split planes (outlines as drawn)
GND on Top Layer "GND_TOP_LAYER_P006" (solid, remove dead copper, pour order 6): -133.47,1772.44 2146,1772.44 2146,-1769.65 -133.46,-1769.65
GND on Bottom Layer "GND_BOTTOM_LAYER_P002" (solid, pour order 2): -133.47,1772.44 2146,1772.44 2146,-1769.65 -133.46,-1769.65

## Keep-outs
Keep-Out Layer:
  lines w3.94: -133.47,1772.44 2150,1772.44 2150,-1771.65 -133.46,-1771.65 -133.46,1771.65 ; -133.46,1771.65 -133.46,1771.65 ; 1082.67,464.57 1261.02,464.57 ; 1082.67,464.57 1082.67,93.7 1261.02,93.7 1261.02,464.57 ; 1082.67,464.57 1261.02,464.57 ; 1026.16,-767.72 1674.23,-767.72 1674.23,-655.51 1026.16,-655.51 1026.16,-767.72

## Other copper
Top Layer:
  rectangle net 3V3: 685.04,-409.06 728.35,-372.83
  rectangle net GND: 1184.21,-398.94 1385.83,-353.93
  rectangle net GND: 452.33,-1070.42 535.33,-959.42
  rectangle net GND: 1105.83,961.66 1188.83,1072.66
  rectangle net GND: 1176.29,-502.64 1500,-473.62
  rectangle net GND: 1690.16,-190.16 1705.91,-134.65
  rectangle net GND: 1681.89,-129.92 1818.11,-62.2
  rectangle net GND: 972.44,-377.56 1009.96,-341.6
  rectangle net 3V3: 831.5,-550.39 1046.85,-520.47
  region net 3V3: 713.39,-425.59 713.39,-464.17 916.93,-464.17 916.93,-425.59
  rectangle net 3V3: 1146.46,-495.28 1168.11,-457.09
  rectangle net GND: 940.16,-377.95 963.39,-335.83
  rectangle net GND: 834.65,-374.02 977.24,-334.65
  rectangle net GND: 963.63,-506.77 1022.63,-424.84
  region net NetIC1_6: 734.65,-269.08 734.65,-327.95 888.58,-327.95 888.58,-269.08
  rectangle net GND: 1012.17,829.57 1095.17,940.57
  region net 3V3: 1146.46,-457.09 1146.46,-450.92 cw(c1171.88,-450.92) 1153.9,-432.94 cw(c1165,-444.04) 1165,-428.35 1170.32,-428.35 1170.32,-451.75 cw(c1162.77,-451.75) 1168.11,-457.09
  pour cut-out: 696.06,-270.47 696.06,-371.65 713.78,-371.65 713.78,-270.47
  region net 3V3: 805.51,-372.64 805.51,-451.57 720.08,-451.57 720.08,-372.24
  region net 3V3: 1566.4,-367.82 1588.53,-359.83 1629.92,-355.51 1629.92,-389.76 1571.65,-408.53 1559.84,-390.16 1559.88,-370.08 1563.58,-367.82
  pour cut-out: 338.98,142.91
  pour cut-out: 992.13,984.25
  pour cut-out: 990,985.74
  region net 3V3: 1658.97,-137.9 1644.6,-142.32 1627.17,-136.22 1651.57,-190.94 1651.18,-234.25 1673.62,-233.86 1683.46,-192.52 1683.46,-162.2 1677.76,-161.88
  pour cut-out: 826.38,-270.08 826.38,-463.78 711.42,-463.78 711.42,-270.47 825.98,-270.47
Bottom Layer:
  pour cut-out: 827.56,-270.47 827.56,-464.17 712.6,-464.17 712.6,-270.87 827.17,-270.87

## Silkscreen, mask and mechanical layers (free items; w line width, h text height)
Top Overlay:
  drawing of 37 lines, arcs and shapes, not listed
  text "RUT_LCD" at 1870.47,1686.22 h59.06
  text "POWERED BY" at 496.56,1675.45 h78.74
  text "Rev 0" at 1871.65,1626.38 h59.06
  text "1" at 538.58,1100.39 h47.24
  text "1" at 1438.71,1094.49 h47.24
  text "2" at 1153.54,-342.52 h31.5 r90
  text "38" at 1582.68,-342.52 h31.5 r90
  text "1" at 1143.68,-525 h31.5 r90
  text "39" at 1592.72,-545.77 h31.5 r90
  text "1" at 1158.46,-1078.74 h47.24
  text "1" at 2015.75,-1078.74 h47.24
  text "SCL" at 200,-1222.91 h39.37 r90
  text "INT" at 1259.84,-1222.76 h39.37 r90
  text "SDA" at 300,-1231.1 h39.37 r90
  text "GND" at 500,-1235.51 h39.37 r90
  text "D/CX" at 1460.04,-1252.12 h39.37 r90
  text "INT_1" at 1559.84,-1266.29 h39.37 r90
  text "RESET" at 1000,-1269.06 h39.37 r90
  text "SPI_CS" at 900,-1289.03 h39.37 r90
  text "ENABLE" at 1100,-1295.05 h39.37 r90
  text "SPI CLK" at 600,-1300.81 h39.37 r90
  text "LED_CTRL" at 1360.04,-1338.44 h39.37 r90
  text "SPI_MISO" at 700,-1340.94 h39.37 r90
  text "SPI_MISO" at 801.73,-1340.94 h39.37 r90
Mechanical 1:
  circle w10: c0,950 r110.24
  circle w10: c2050,750 r110.24
  circle w10: c50,-950 r110.24
  lines w0.39: 0,-950 0,950
  lines w3.94: 86.22,-788.98 1037.01,-788.98 ; 525,-950 575,-950 ; 550,-975 550,-925 ; 1065,950 1115,950 ; 1090,925 1090,975 ; 1425,-950 1475,-950 ; 1450,-975 1450,-925 ; 1925,950 1975,950 ; 1950,925 1950,975 ; 1674.23,-767.72 1138.36,-767.72 1026.16,-767.72 1026.16,-655.51 1674.23,-655.51 ; 1674.23,-767.72 1674.23,-767.72 ; 1674.23,-767.72 1674.23,-655.51 ; 1674.23,-655.51 1674.23,-655.51 ; 546.85,-1694.09 546.85,-1487.4 887.4,-1487.4 887.4,-1694.09 546.85,-1694.09 ; 1082.67,93.7 1082.67,464.57 1261.02,464.57 1261.02,93.7 1082.67,93.7
  lines w10: 2160.24,-350 cw(c2050,-350) 2160.24,-349.57 ; -133.46,-1771.65 -133.46,1771.65 2150,1771.65 2150,-1771.65 -133.46,-1771.65
Mechanical 7:
  lines w10: 550,-1093.19 550,-950 1250,-950 1250,-1093.19 ; 1250,1096.81 1250,950 1950,950 1950,1096.81 ; 1450,-1093.19 1450,-950 1950,-950 1950,-1083.19

## Dimensions
2150,-1771.65 to 2150,1771.65 on Mechanical 1
2150,-1771.65 to -133.46,-1771.65 on Mechanical 1
1261.02,464.57 to 1082.67,464.57 on Mechanical 1
1082.67,464.57 to 1082.67,93.7 on Mechanical 1
1674.23,-655.51 to 1674.23,-767.72 on Mechanical 1